# KiCad board tasta_mea.kicad_pcb
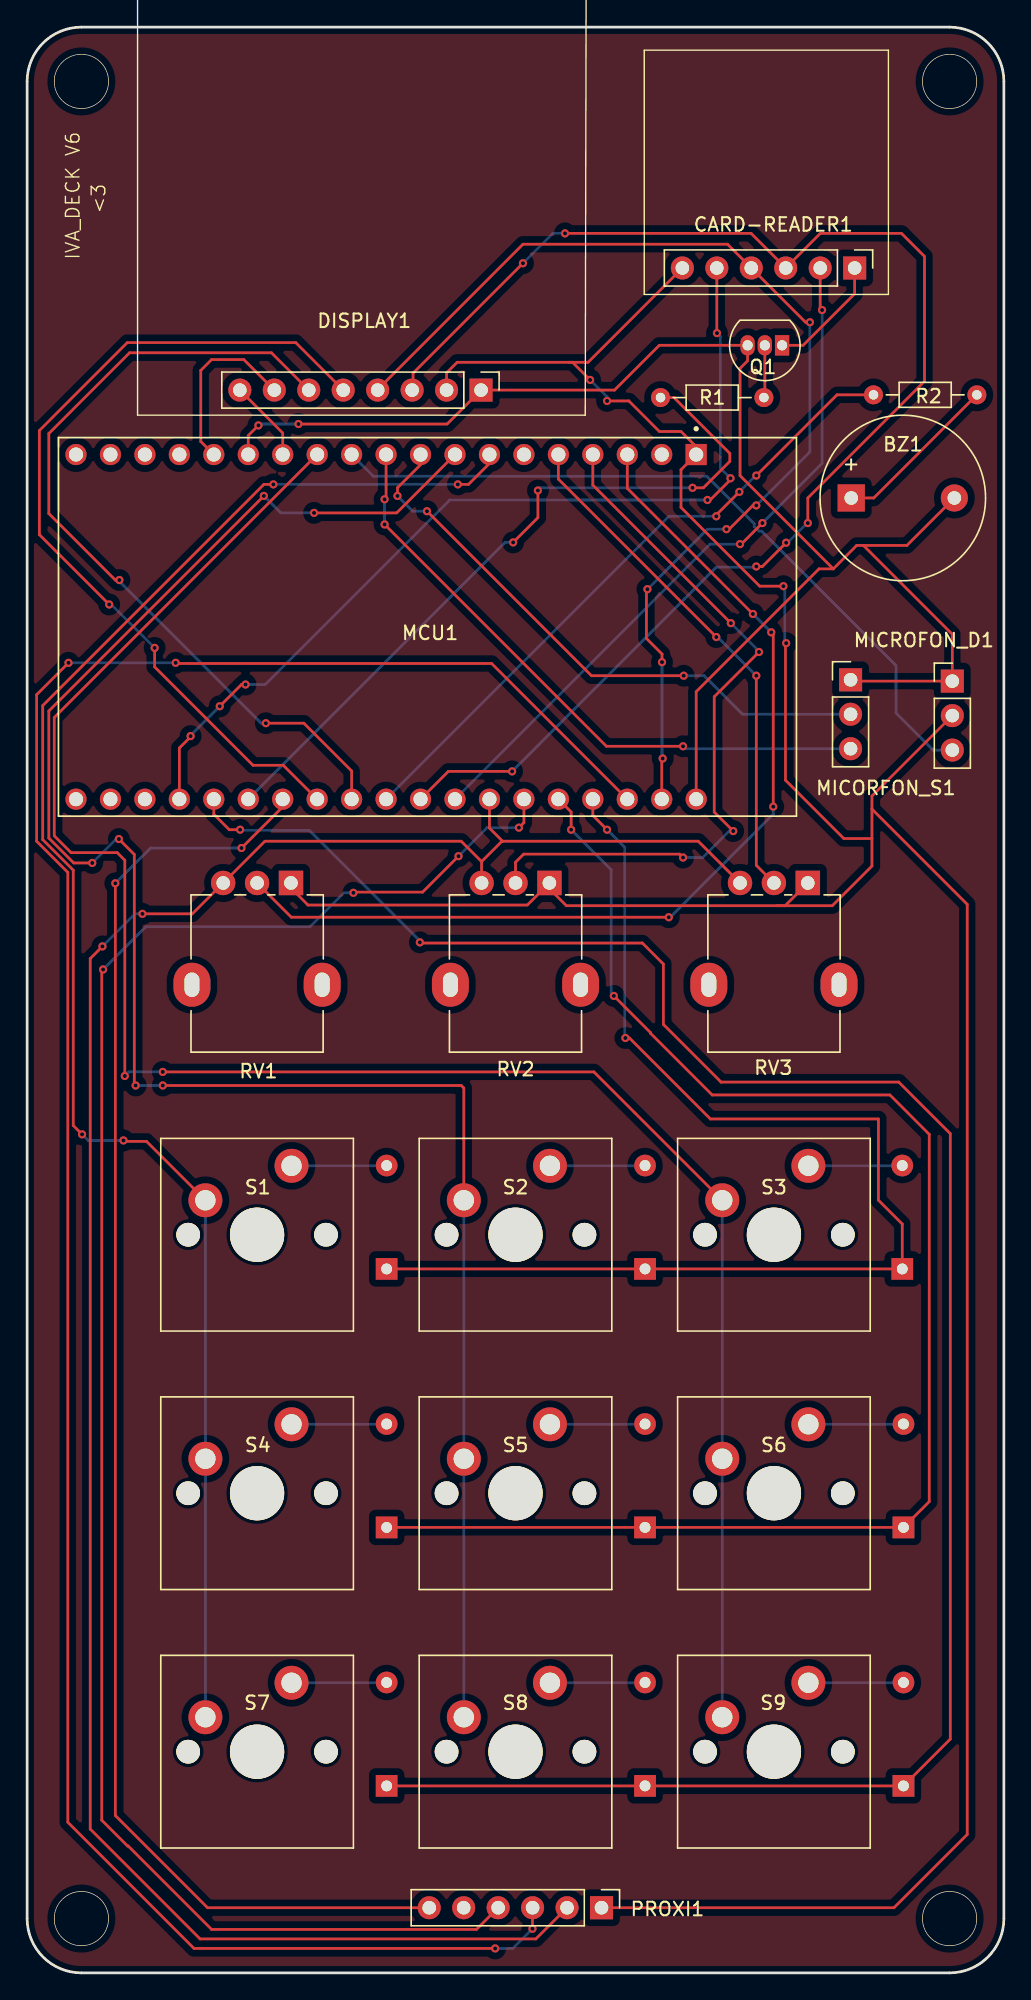
[diagram p0: board, top side]
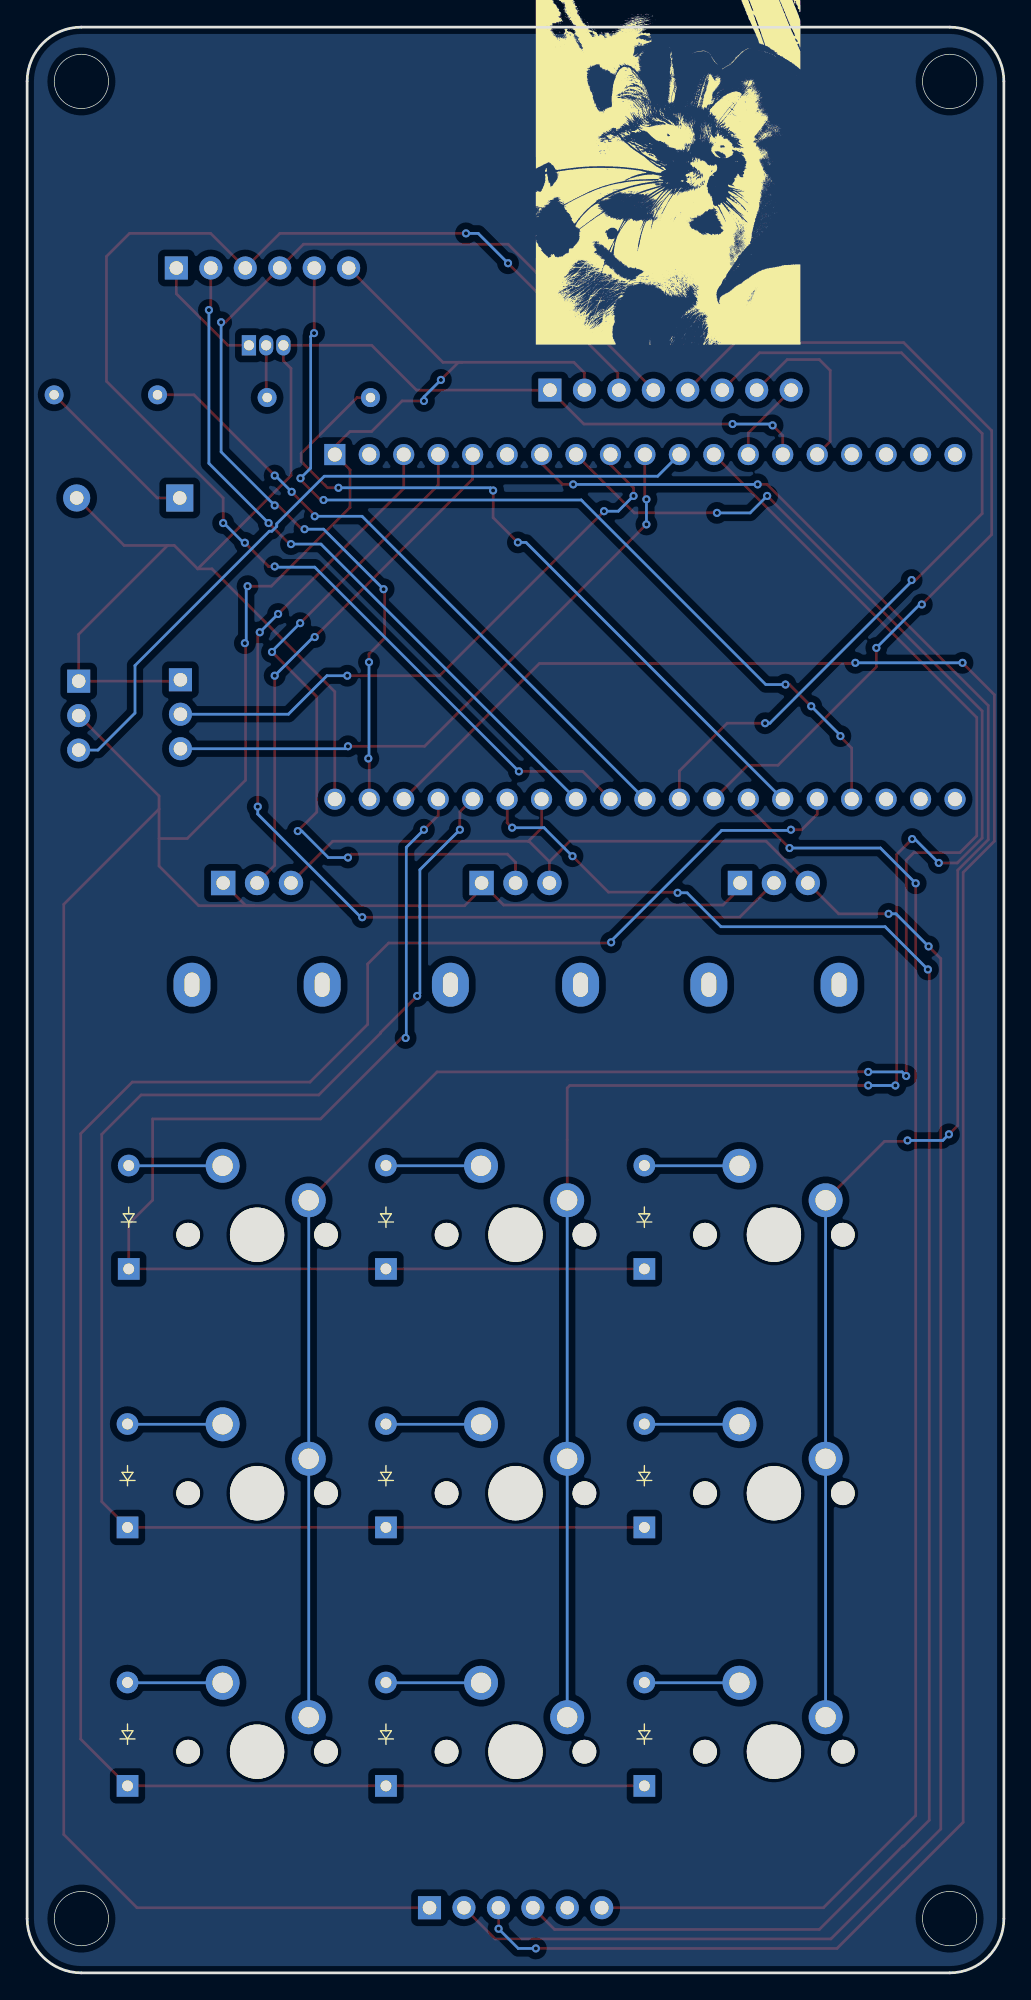
[diagram p1: board, bottom side, seen from below]

Outline 72 x 143.4 mm; copper layers: Top, Bottom. Coordinates in mm from the lower left corner of the outline.
Outline path: circle c4,139.4 r2 ; circle c4,4 r2 ; circle c68,139.4 r2 ; circle c68,4 r2 ; 0,139.4 arc(1.17,142.23) 4,143.4 68,143.4 arc(70.83,142.23) 72,139.4 72,4 arc(70.83,1.17) 68,0 4,0 arc(1.17,1.17) 0,4 0,139.4

## Placement (name value [footprint] x y rotation side)
BZ1  Buzzer  [Buzzer_12x9.5RM7.6]  60.75 108.7 0 top
CARD-READER1  Card_reader  [PinHeader_1x06_P2.54mm_Vertical]  61 125.65 270 top
D1  Diode  [DO-35]  26.5 51.88 90 bottom
D2  Diode  [DO-35]  45.55 51.88 90 bottom
D3  Diode  [DO-35]  64.51 51.88 90 bottom
D4  Diode  [DO-35]  26.5 32.83 90 bottom
D5  Diode  [DO-35]  45.55 32.83 90 bottom
D6  Diode  [DO-35]  64.6 32.83 90 bottom
D7  Diode  [DO-35]  26.5 13.78 90 bottom
D8  Diode  [DO-35]  45.55 13.78 90 bottom
D9  Diode  [DO-35]  64.6 13.78 90 bottom
DISPLAY1  ST7789  [PinHeader_1x08_P2.54mm_Vertical]  33.46 116.65 270 top
G***  LOGO  [mitzy25]  24.75 133 270 bottom
MCU1  ESP32-DEVKITC-32D  [MODULE_ESP32-DEVKITC-32D]  29.56 99.2 270 top
MICORFON_S1  IMNP441_stanga  [PinHeader_1x03_P2.54mm_Vertical]  60.7 95.3 0 top
MICROFON_D1  IMNP441_Dreapta  [PinHeader_1x03_P2.54mm_Vertical]  68.2 95.2 0 top
PROXI1  VL53L0X  [PinHeader_1x06_P2.54mm_Vertical]  42.34 4.8 270 top
Q1  S8050  [TO-92_Inline]  55.65 119.95 180 top
R1  R  [R_Axial_DIN0204_L3.6mm_D1.6mm_P7.62mm_Horizontal]  46.69 116.1 0 top
R2  R  [R_Axial_DIN0204_L3.6mm_D1.6mm_P7.62mm_Horizontal]  70.01 116.3 180 top
RV1  R_Potentiometer  [Potentiometer_Alpha_RD901F-40-00D_Single_Vertical]  19.45 80.32 270 top
RV2  R_Potentiometer  [Potentiometer_Alpha_RD901F-40-00D_Single_Vertical]  38.5 80.32 270 top
RV3  R_Potentiometer  [Potentiometer_Alpha_RD901F-40-00D_Single_Vertical]  57.55 80.32 270 top
S1  Keyswitch  [MX_PCB_1.00u]  16.95 54.4 0 top
S2  Keyswitch  [MX_PCB_1.00u]  36 54.4 0 top
S3  Keyswitch  [MX_PCB_1.00u]  55.05 54.4 0 top
S4  Keyswitch  [MX_PCB_1.00u]  16.95 35.35 0 top
S5  Keyswitch  [MX_PCB_1.00u]  36 35.35 0 top
S6  Keyswitch  [MX_PCB_1.00u]  55.05 35.35 0 top
S7  Keyswitch  [MX_PCB_1.00u]  16.95 16.3 0 top
S8  Keyswitch  [MX_PCB_1.00u]  36 16.3 0 top
S9  Keyswitch  [MX_PCB_1.00u]  55.05 16.3 0 top

## Library data of the parts
BZ1 = -: Description: Buzzer, polarized; ki_fp_filters: *Buzzer*
CARD-READER1 PROXI1 = -: Description: Generic connector, single row, 01x06, script generated; ki_fp_filters: Connector*:*_1x??_*
D1-D9 = -: Description: 1N4148 (DO-35) or 1N4148W (SOD-123); Sim.Device: D; Sim.Pins: 1=K 2=A; ki_fp_filters: D*DO?35*
DISPLAY1 = -: Description: Generic connector, single row, 01x08, script generated; ki_fp_filters: Connector*:*_1x??_*
MCU1 = -: MF: Espressif Systems; MAXIMUM_PACKAGE_HEIGHT: N/A; Package: None; Price: None; Check_prices: https://www.snapeda.com/parts/ESP32-DEVKITC-32D/Espressif+Systems/view-part/?ref=eda; STANDARD: Manufacturer Recommendations; PARTREV: V4; SnapEDA_Link: https://www.snapeda.com/parts/ESP32-DEVKITC-32D/Espressif+Systems/view-part/?ref=snap; Description_1: WiFi Development Tools (802.11) ESP32 General Development Kit, ESP32-WROOM-32D on the board; MANUFACTURER: Espressif Systems; Availability: In Stock
MICORFON_S1 MICROFON_D1 = -: Description: Generic connector, single row, 01x03, script generated; ki_fp_filters: Connector*:*_1x??_*
Q1 = -: Datasheet: http://www.unisonic.com.tw/datasheet/S8050.pdf; Description: 0.7A Ic, 20V Vce, Low Voltage High Current NPN Transistor, TO-92; ki_fp_filters: TO?92*
R1 R2 = -: Description: Resistor; ki_fp_filters: R_*
RV1-RV3 = -: Description: Potentiometer; ki_fp_filters: Potentiometer*
S1-S9 = -: Description: Push button switch, normally open, two pins, 45° tilted

## Footprints (pads in the part's own frame, mm; a bottom-side part is the same pattern mirrored in y, then rotated)
Buzzer_12x9.5RM7.6
  rect 2x2 hole 1: 1(0,0)
  round 2 hole 1: 2(7.6,0)
DO-35
  rect 1.6x1.6 hole 0.8: 1(0,0)
  oval 1.6x1.6 hole 0.8: 2(7.62,0)
MODULE_ESP32-DEVKITC-32D
  rect 1.56x1.56 hole 1.04: J2-1(-12.7,19.76)
  round 1.56 hole 1.04: J2-2(-12.7,17.22) J2-3(-12.7,14.68) J2-4(-12.7,12.14) J2-5(-12.7,9.6) J2-6(-12.7,7.06) J2-7(-12.7,4.52) J2-8(-12.7,1.98) J2-9(-12.7,-0.56) J2-10(-12.7,-3.1) J2-11(-12.7,-5.64) J2-12(-12.7,-8.18) J2-13(-12.7,-10.72) J2-14(-12.7,-13.26) J2-15(-12.7,-15.8) J2-16(-12.7,-18.34) J2-17(-12.7,-20.88) J2-18(-12.7,-23.42) J2-19(-12.7,-25.96) J3-1(12.7,19.76) J3-2(12.7,17.22) J3-3(12.7,14.68) J3-4(12.7,12.14) J3-5(12.7,9.6) J3-6(12.7,7.06) J3-7(12.7,4.52) J3-8(12.7,1.98) J3-9(12.7,-0.56) J3-10(12.7,-3.1) J3-11(12.7,-5.64) J3-12(12.7,-8.18) J3-13(12.7,-10.72) J3-14(12.7,-13.26) J3-15(12.7,-15.8) J3-16(12.7,-18.34) J3-17(12.7,-20.88) J3-18(12.7,-23.42) J3-19(12.7,-25.96)
MX_PCB_1.00u
  round 1.75 hole 1.75 unplated: (-5.08,0) (5.08,0)
  round 4 hole 4 unplated: (0,0)
  round 2.5 hole 1.5: 1(-3.81,2.54) 2(2.54,5.08)
PinHeader_1x03_P2.54mm_Vertical
  rect 1.7x1.7 hole 1: 1(0,0)
  oval 1.7x1.7 hole 1: 2(0,-2.54) 3(0,-5.08)
PinHeader_1x06_P2.54mm_Vertical
  rect 1.7x1.7 hole 1: 1(0,0)
  oval 1.7x1.7 hole 1: 2(0,-2.54) 3(0,-5.08) 4(0,-7.62) 5(0,-10.16) 6(0,-12.7)
PinHeader_1x08_P2.54mm_Vertical
  rect 1.7x1.7 hole 1: 1(0,0)
  oval 1.7x1.7 hole 1: 2(0,-2.54) 3(0,-5.08) 4(0,-7.62) 5(0,-10.16) 6(0,-12.7) 7(0,-15.24) 8(0,-17.78)
Potentiometer_Alpha_RD901F-40-00D_Single_Vertical
  oval 3.24x2.72 hole 1.8x1.1: (7.5,2.3) (7.5,-7.3)
  rect 1.8x1.8 hole 1: 1(0,0)
  round 1.8 hole 1: 2(0,-2.5) 3(0,-5)
R_Axial_DIN0204_L3.6mm_D1.6mm_P7.62mm_Horizontal
  round 1.4 hole 0.7: 1(0,0)
  oval 1.4x1.4 hole 0.7: 2(7.62,0)
TO-92_Inline
  rect 1.05x1.5 hole 0.75: 1(0,0)
  oval 1.05x1.5 hole 0.75: 2(1.27,0) 3(2.54,0)

## Nets
vcc_5v: MCU1.J2-19
buzz: MCU1.J3-10 R2.2
C_clk: CARD-READER1.3 DISPLAY1.3 MCU1.J3-9
C_cs: CARD-READER1.5 MCU1.J3-16
C_miso: CARD-READER1.2 MCU1.J3-8
C_mosi: CARD-READER1.4 DISPLAY1.4 MCU1.J3-2
C_POWER_CONTROL: MCU1.J3-14 R1.1
C_vcc: CARD-READER1.6 DISPLAY1.2 MCU1.J2-1 MICROFON_D1.2 PROXI1.1 RV1.1 RV2.1 RV3.1
col 1: MCU1.J2-7 S1.1 S4.1 S7.1
col 2: MCU1.J2-8 S2.1 S5.1 S8.1
col 3: MCU1.J2-12 S3.1 S6.1 S9.1
D_BL: DISPLAY1.8 MCU1.J2-13
D_CS: DISPLAY1.7 MCU1.J2-15
D_DC: DISPLAY1.6 MCU1.J3-11
D_GND: BZ1.2 DISPLAY1.1 MCU1.J2-14 MCU1.J3-1 MCU1.J3-7 MICORFON_S1.1 MICROFON_D1.1 PROXI1.2 Q1.3 RV1.3 RV2.3 RV3.3
D_RST: DISPLAY1.5 MCU1.J3-12
M_SCK: MCU1.J2-10 MICORFON_S1.3
M_SD: MCU1.J2-11 MICROFON_D1.3
M_WS: MCU1.J2-9 MICORFON_S1.2
no1: MCU1.J2-16
no2: MCU1.J2-17
no3: MCU1.J2-18
no4: MCU1.J3-17
no5: MCU1.J3-18
no6: MCU1.J3-19
P_GPIO1: PROXI1.5
P_SCL: MCU1.J3-3 PROXI1.3
P_SDA: MCU1.J3-6 PROXI1.4
P_XSHUT: MCU1.J3-13 PROXI1.6
row 1: D1.1 D2.1 D3.1 MCU1.J3-4
row 2: D4.1 D5.1 D6.1 MCU1.J3-5
row 3: D7.1 D8.1 D9.1 MCU1.J3-15
vol 1: MCU1.J2-3 RV1.2
vol 2: MCU1.J2-4 RV2.2
vol 3: MCU1.J2-5 RV3.2
Net-(BZ1-+): BZ1.1 R2.1
Net-(CARD-READER1-Pin_1): CARD-READER1.1 Q1.1
Net-(D1-A): D1.2 S1.2
Net-(D2-A): D2.2 S2.2
Net-(D3-A): D3.2 S3.2
Net-(D4-A): D4.2 S4.2
Net-(D5-A): D5.2 S5.2
Net-(D6-A): D6.2 S6.2
Net-(D7-A): D7.2 S7.2
Net-(D8-A): D8.2 S8.2
Net-(D9-A): D9.2 S9.2
Net-(Q1-B): Q1.2 R1.2

Pads without a net: MCU1 J2-2 J2-6

## Via types
v1: diameter 0.6, hole 0.3, Top to Bottom, 83 vias

## Routing (per net, layer and track width the routed paths; a pad name or vN(x,y) marks a point on that pad's centre or on a via; arc(x,y) is an arc through that point)
buzz: length 48.3
  Top w0.2: v1(52.5,109.15) 50.8,107.45 v1(50.8,107.35) ; R2.2 59.7,116.3 v1(53.75,110.35)
  Bottom w0.2: v1(53.75,110.35) 53.7,110.35 v1(52.5,109.15) ; v1(50.8,107.35) 47.31,107.35 26.46,86.5
C_clk: length 106.3
  Top w0.2: v1(35.75,88.55) 31.05,88.55 29,86.5 ; v1(57.55,106.85) 57.55,108.7 66.15,117.3 66.15,126.5 64.45,128.2 58.47,128.2 CARD-READER1.3 53.37,128.2 v1(39.65,128.2) ; v1(53.75,103.65) 54.2,103.65 v1(55.95,105.4) ; v1(36.55,126) 28.45,117.9 28.45,116.72 DISPLAY1.3
  Bottom w0.2: v1(53.75,103.65) 53.7,103.6 50.8,103.6 v1(35.75,88.55) ; v1(36.55,126) 38.75,128.2 v1(39.65,128.2) ; v1(55.95,105.4) 56.05,105.4 57.5,106.85 v1(57.55,106.85)
C_cs: length 68.7
  Top w0.2: v1(50.85,120.85) 50.84,120.86 CARD-READER1.5 ; v1(51.85,110.15) 51.85,110.05 50.35,108.55 v1(50.15,108.55) ; v1(16.1,94.95) 15.8,94.95 v1(14.2,93.35) ; v1(12.05,91.15) 12.05,91.1 11.22,90.27 11.22,86.5
  Bottom w0.2: v1(14.2,93.35) 12.05,91.2 v1(12.05,91.15) ; v1(50.15,108.55) 31.15,108.55 17.55,94.95 v1(16.1,94.95) ; v1(51.85,110.15) 51.1,110.9 51.1,120.6 v1(50.85,120.85)
C_miso: length 51.8
  Top w0.2: v1(54.2,106.85) 52.65,105.3 v1(52.55,105.3) ; v1(58.6,122.55) 58.46,122.69 58.46,125.65
  Bottom w0.2: v1(52.55,105.3) 50.34,105.3 31.54,86.5 ; v1(58.6,122.55) 58.6,111.25 v1(54.2,106.85)
C_mosi: length 80.5
  Top w0.2: v1(45.72,101.97) 45.65,101.9 45.65,98.35 46.8,97.2 v1(46.8,96.6) ; v1(51.55,106.4) 51.75,106.4 53.5,108.15 v1(53.75,108.15) ; v1(57.7,121.65) 57.38,121.65 CARD-READER1.4 51.63,127.4 36.55,127.4 25.84,116.69 DISPLAY1.4 ; 46.78,86.5 46.78,89.43 v1(46.85,89.5)
  Bottom w0.2: v1(57.7,121.65) 57.7,112.1 v1(53.75,108.15) ; v1(46.85,89.5) 46.8,89.55 v1(46.8,96.6) ; v1(45.72,101.97) 50.15,106.4 v1(51.55,106.4)
C_POWER_CONTROL: length 54.4
  Top w0.2: R1.1 47.68,116.1 51.8,111.98 51.8,111.4 49.85,109.45 v1(49.05,109.45) ; v1(35.82,105.42) 37.65,107.25 v1(37.65,109.25)
  Bottom w0.2: v1(35.82,105.42) 35.22,105.42 16.3,86.5 ; v1(49.05,109.45) 37.85,109.45 v1(37.65,109.25)
C_vcc: length 242.2
  Top w0.2: 62.28,85.77 62.28,86.73 68.2,92.66 ; 62.28,85.77 62.28,83.6 ; 62.28,85.77 69.3,78.75 69.3,10.2 63.9,4.8 PROXI1.1 ; 39.95,118.7 31.7,118.7 30.92,117.92 DISPLAY1.2 ; 39.95,118.7 41.35,118.7 48.3,125.65 ; 39.95,118.7 40.2,118.7 v1(41.5,117.4) ; RV3.1 55.88,78.65 39.75,78.65 38.5,79.9 RV2.1 36.88,78.7 20.7,78.7 19.45,79.95 RV1.1 ; 55.25,78.65 59.35,78.65 62.28,81.57 62.28,83.6 ; 62.28,83.6 60.2,83.6 55.9,87.9 55.9,97.95 v1(55.95,98) ; v1(55.75,102.2) 54,102.2 48.2,108 48.2,110.78 MCU1.J2-1 49.32,112.48 48.2,113.6 46.61,113.6 44.36,115.85 v1(42.75,115.85)
  Bottom w0.2: v1(42.75,115.85) 42.75,116.15 v1(41.5,117.4) ; v1(55.75,102.2) 55.85,102.1 55.85,98.1 v1(55.95,98)
col 1: length 123
  Top w0.2: v1(18.15,109.7) 17.45,109.7 1.15,93.4 1.15,83.52 3.4,81.27 3.4,62.45 v1(4.05,61.8) ; v1(31.75,109.7) 32.54,109.7 34.08,111.24 MCU1.J2-7 ; v1(7.1,61.35) 7.17,61.28 8.8,61.28 S1.1
  Bottom w0.2: 13.14,18.84 S4.1 S1.1 ; v1(7.1,61.35) 4.5,61.35 v1(4.05,61.8) ; v1(18.15,109.7) v1(31.75,109.7)
col 2: length 144.1
  Top w0.2: v1(17.45,108.85) 1.6,93 1.6,83.63 3.43,81.8 v1(4.8,81.8) ; MCU1.J2-8 27.24,107.6 v1(21.15,107.6) ; v1(10,65.4) 32,65.4 32.19,65.21 S2.1 ; v1(6.76,83.56) 7.9,82.43 7.9,65.5 v1(8,65.4)
  Bottom w0.2: 32.19,18.84 S5.1 S2.1 ; v1(4.8,81.8) 6.56,83.56 v1(6.76,83.56) ; v1(17.45,108.85) 18.7,107.6 v1(21.15,107.6) ; v1(10,65.4) v1(8,65.4)
col 3: length 144.2
  Top w0.2: v1(7.2,66.1) 7.2,82 6.64,82.56 3.24,82.56 2,83.8 2,92.52 MCU1.J2-12 ; v1(10,66.4) 41.78,66.4 S3.1
  Bottom w0.2: 51.24,18.84 S6.1 S3.1 ; v1(7.2,66.1) 7.5,66.4 v1(10,66.4)
D_BL: length 6.1
  Top w0.2: DISPLAY1.8 18.84,113.49 MCU1.J2-13
D_CS: length 13.3
  Top w0.2: DISPLAY1.7 15.97,118.9 13.6,118.9 12.8,118.1 12.8,112.86 MCU1.J2-15
D_DC: length 61
  Top w0.2: v1(6.8,102.65) 6.5,102.65 1.6,107.55 1.6,113.45 7.55,119.4 18.01,119.4 DISPLAY1.6 ; 23.92,86.5 23.92,88.58 20.4,92.1 v1(17.6,92.1)
  Bottom w0.2: v1(6.8,102.65) 6.8,102.55 17.25,92.1 v1(17.6,92.1)
D_GND: length 276.5
  Top w0.2: 61.65,105.2 64.85,105.2 BZ1.2 ; 61.65,105.2 61.15,105.2 59.42,103.47 ; 61.65,105.2 68.2,98.65 MICROFON_D1.1 ; PROXI1.2 37.5,2.5 12.75,2.5 4.65,10.6 4.65,74.75 v1(5.55,75.65) ; 34.08,86.5 34.08,84.37 35.05,83.4 ; 49.32,86.5 49.32,94.42 58.38,103.47 59.42,103.47 ; v1(17.05,114.05) 16.3,113.3 MCU1.J2-14 ; RV3.3 49.47,83.4 35.05,83.4 ; 59.42,103.47 52.55,110.35 52.55,118.25 53.11,118.81 Q1.3 46.6,119.95 43.3,116.65 DISPLAY1.1 30.96,114.15 v1(20,114.15) ; MICROFON_D1.1 60.8,95.2 MICORFON_S1.1 ; MICROFON_D1.1 68.1,95.3 ; 33.5,81.9 32,83.4 17.52,83.4 RV1.3 12.17,78.05 v1(8.5,78.05) ; 33.5,81.9 35,83.4 35.05,83.4 ; 33.5,81.9 RV2.3
  Bottom w0.2: v1(5.55,75.65) 7.95,78.05 v1(8.5,78.05) ; v1(17.05,114.05) 17.15,114.15 v1(20,114.15)
D_RST: length 63.6
  Top w0.2: 21.38,86.5 18.88,89 16.65,89 9.4,96.25 v1(9.4,97.65) ; v1(6.05,100.85) 0.9,106 0.9,113.67 7.38,120.15 19.8,120.15 DISPLAY1.5
  Bottom w0.2: v1(9.4,97.65) 6.2,100.85 v1(6.05,100.85)
M_SCK: length 46.7
  Top w0.2: v1(26.35,108.6) 26.46,108.71 MCU1.J2-10 ; v1(48.35,90.4) 42.7,90.4 v1(26.35,106.75)
  Bottom w0.2: MICORFON_S1.3 48.53,90.22 v1(48.35,90.4) ; 60.7,90.27 60.9,90.47 ; v1(26.35,108.6) v1(26.35,106.75)
M_SD: length 55.5
  Bottom w0.2: MICROFON_D1.3 66.78,90.12 64.05,92.85 64.05,96.35 54.15,106.25 53.95,106.25 53.6,106.6 53.6,106.8 50.1,110.3 25.52,110.3 MCU1.J2-11
M_WS: length 43.8
  Top w0.2: v1(27.3,108.85) 27.3,109.45 29,111.15 MCU1.J2-9 ; v1(29.47,107.72) 41.6,95.6 v1(48.4,95.6)
  Bottom w0.2: MICORFON_S1.2 52.74,92.76 49.9,95.6 v1(48.4,95.6) ; v1(27.3,108.85) 28.42,107.72 v1(29.47,107.72)
P_SCL: length 173
  Top w0.2: v1(10.95,96.55) 11,96.5 34.24,96.5 44.24,86.5 ; v1(37.25,3.25) 37.25,4.79 PROXI1.3 ; v1(34.5,1.8) 12.3,1.8 3,11.1 3,81.1 0.7,83.4 0.7,94.2 v1(3.05,96.55)
  Bottom w0.2: v1(34.5,1.8) 35.8,1.8 v1(37.25,3.25) ; v1(10.95,96.55) v1(3.05,96.55)
P_SDA: length 133.2
  Top w0.2: v1(31.8,82.3) 29.15,79.65 24.1,79.65 v1(24.05,79.6) ; 36.62,86.5 36.62,84.77 v1(36.25,84.4) ; v1(5.6,73.95) 5.5,73.85 5.5,11.25 7.4,9.35 7.45,9.35 13.6,3.2 33.12,3.2 PROXI1.4
  Bottom w0.2: v1(31.8,82.3) 33.9,84.4 v1(36.25,84.4) ; v1(5.6,73.95) 8.75,77.1 20.85,77.1 23.35,79.6 v1(24.05,79.6)
P_XSHUT: length 109.9
  Top w0.2: PROXI1.6 13.3,4.8 6.5,11.6 v1(6.5,80.3) ; 18.84,86.5 18.84,85.94 v1(15.8,82.9)
  Bottom w0.2: v1(6.5,80.3) 9.1,82.9 v1(15.8,82.9)
row 1: length 89.5
  Top w0.2: v1(42.75,84.25) 41.7,85.3 41.7,86.5 ; v1(44.1,68.9) 44.4,68.9 50.37,62.93 62.75,62.93 62.75,56.95 64.51,55.19 D3.1 D2.1 D1.1
  Bottom w0.2: v1(42.75,84.25) 44.05,82.95 44.05,68.95 v1(44.1,68.9)
row 2: length 111.6
  Top w0.2: 39.16,86.5 40.1,85.56 v1(40.1,84.25) ; v1(43.25,72) 45.95,69.3 45.95,69.25 50.5,64.7 63.6,64.7 66.5,61.8 66.5,34.73 D6.1 D5.1 D4.1
  Bottom w0.2: v1(40.1,84.25) 43.05,81.3 43.05,72.2 v1(43.25,72)
row 3: length 155.4
  Top w0.2: 13.76,86.5 13.76,85.39 14.9,84.25 v1(15.7,84.25) ; v1(28.95,75.95) 29,75.9 45.35,75.9 46.9,74.35 46.9,69.9 51.15,65.65 64.25,65.65 68.05,61.85 68.05,17.23 D9.1 D8.1 D7.1
  Bottom w0.2: v1(15.7,84.25) 15.75,84.2 20.8,84.2 28.95,76.05 v1(28.95,75.95)
vol 1: length 73.2
  Top w0.2: v1(55,85.95) 55,98.65 v1(54.85,98.8) ; RV1.2 19.47,77.8 v1(47.3,77.8) ; v1(53.5,100.15) 44.24,109.41 MCU1.J2-3
  Bottom w0.2: v1(54.85,98.8) v1(53.5,100.15) ; v1(47.3,77.8) 47.4,77.8 55,85.4 v1(55,85.95)
vol 2: length 53.6
  Top w0.2: v1(51.88,99.47) 41.7,109.65 MCU1.J2-4 ; v1(48.35,82.2) 48.1,82.45 36.6,82.45 36,81.85 RV2.2 ; v1(53.95,97.35) 50.65,94.05 50.65,85.55 v1(52.05,84.15)
  Bottom w0.2: 53.95,97.45 v1(53.95,97.35) 53.95,97.4 v1(51.88,99.47) ; v1(52.05,84.15) 51.75,84.15 49.8,82.2 v1(48.35,82.2)
vol 3: length 38.2
  Top w0.2: v1(53.75,95.6) 53.75,81.62 RV3.2 ; v1(50.8,98.45) 39.16,110.09 MCU1.J2-5
  Bottom w0.2: v1(53.75,95.6) 50.9,98.45 v1(50.8,98.45)
Net-(BZ1-+): length 12.4
  Top w0.2: R2.1 62.41,108.7 BZ1.1
Net-(CARD-READER1-Pin_1): length 8.8
  Top w0.2: Q1.1 57.2,119.95 61,123.75 CARD-READER1.1
Net-(D1-A): length 7
  Bottom w0.2: D1.2 26.48,59.48 S1.2
Net-(D2-A): length 7
  Bottom w0.2: D2.2 45.53,59.48 38.54,59.48
Net-(D3-A): length 6.9
  Bottom w0.2: D3.2 64.49,59.48 57.59,59.48
Net-(D4-A): length 7
  Bottom w0.2: S4.2 26.48,40.43 D4.2
Net-(D5-A): length 7
  Bottom w0.2: 38.54,40.43 45.53,40.43 D5.2
Net-(D6-A): length 7
  Bottom w0.2: D6.2 64.58,40.43 57.59,40.43
Net-(D7-A): length 7
  Bottom w0.2: S7.2 26.48,21.38 D7.2
Net-(D8-A): length 7
  Bottom w0.2: 38.54,21.38 45.53,21.38 D8.2
Net-(D9-A): length 7
  Bottom w0.2: D9.2 64.58,21.38 57.59,21.38
Net-(Q1-B): length 3.9
  Top w0.2: Q1.2 54.38,116.17 R1.2

## Copper pours and planes (outline as drawn; the poured copper is in the pictures)
(no net) on Top, Bottom: 84.94,149.5 39.64,165.84 -9.41,162.69 -6.61,-8.36 86.29,-7.56

## Text on the board
F.Silkscreen: IVA_DECK V6 | <3
